# KiCad board imx8x_carrier_v2.kicad_pcb
title: Mariner 1-A; date: 2025-06-26; rev: A; company: Bronco Space Lab; note: Designed by Luca Lanzillotta, John Pollack, Kelly Williams
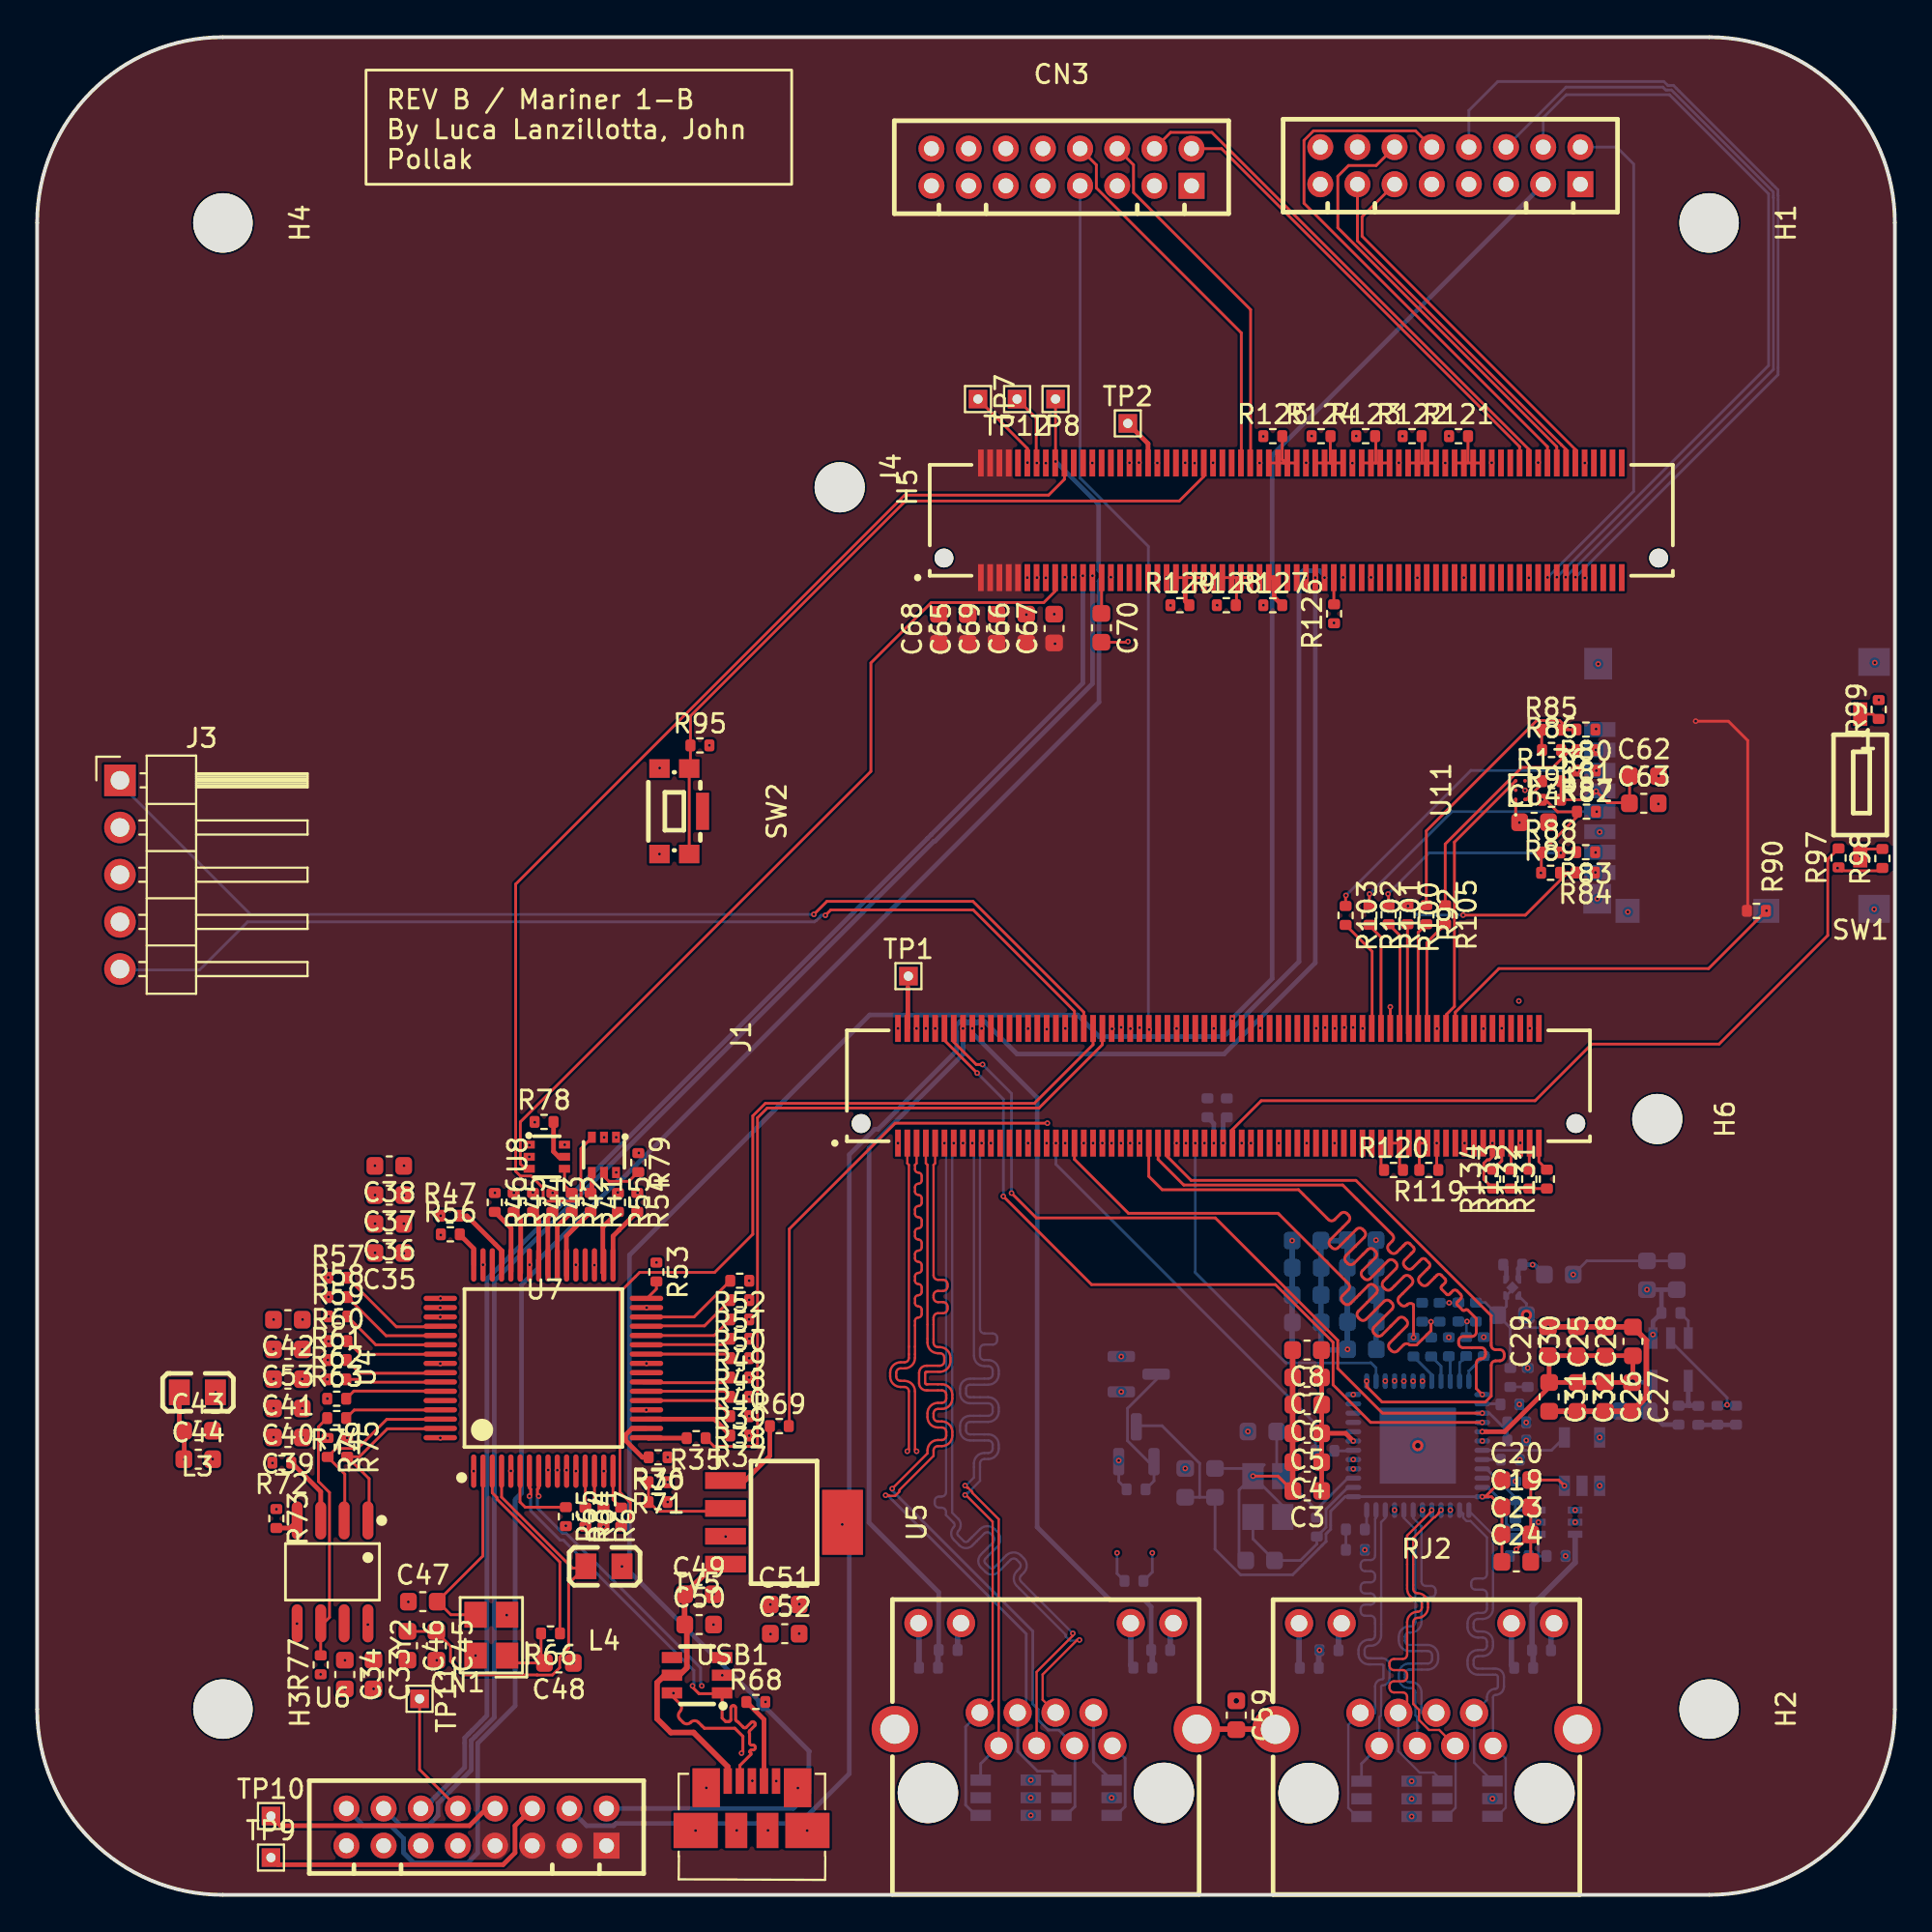
[diagram p0: board, top side]
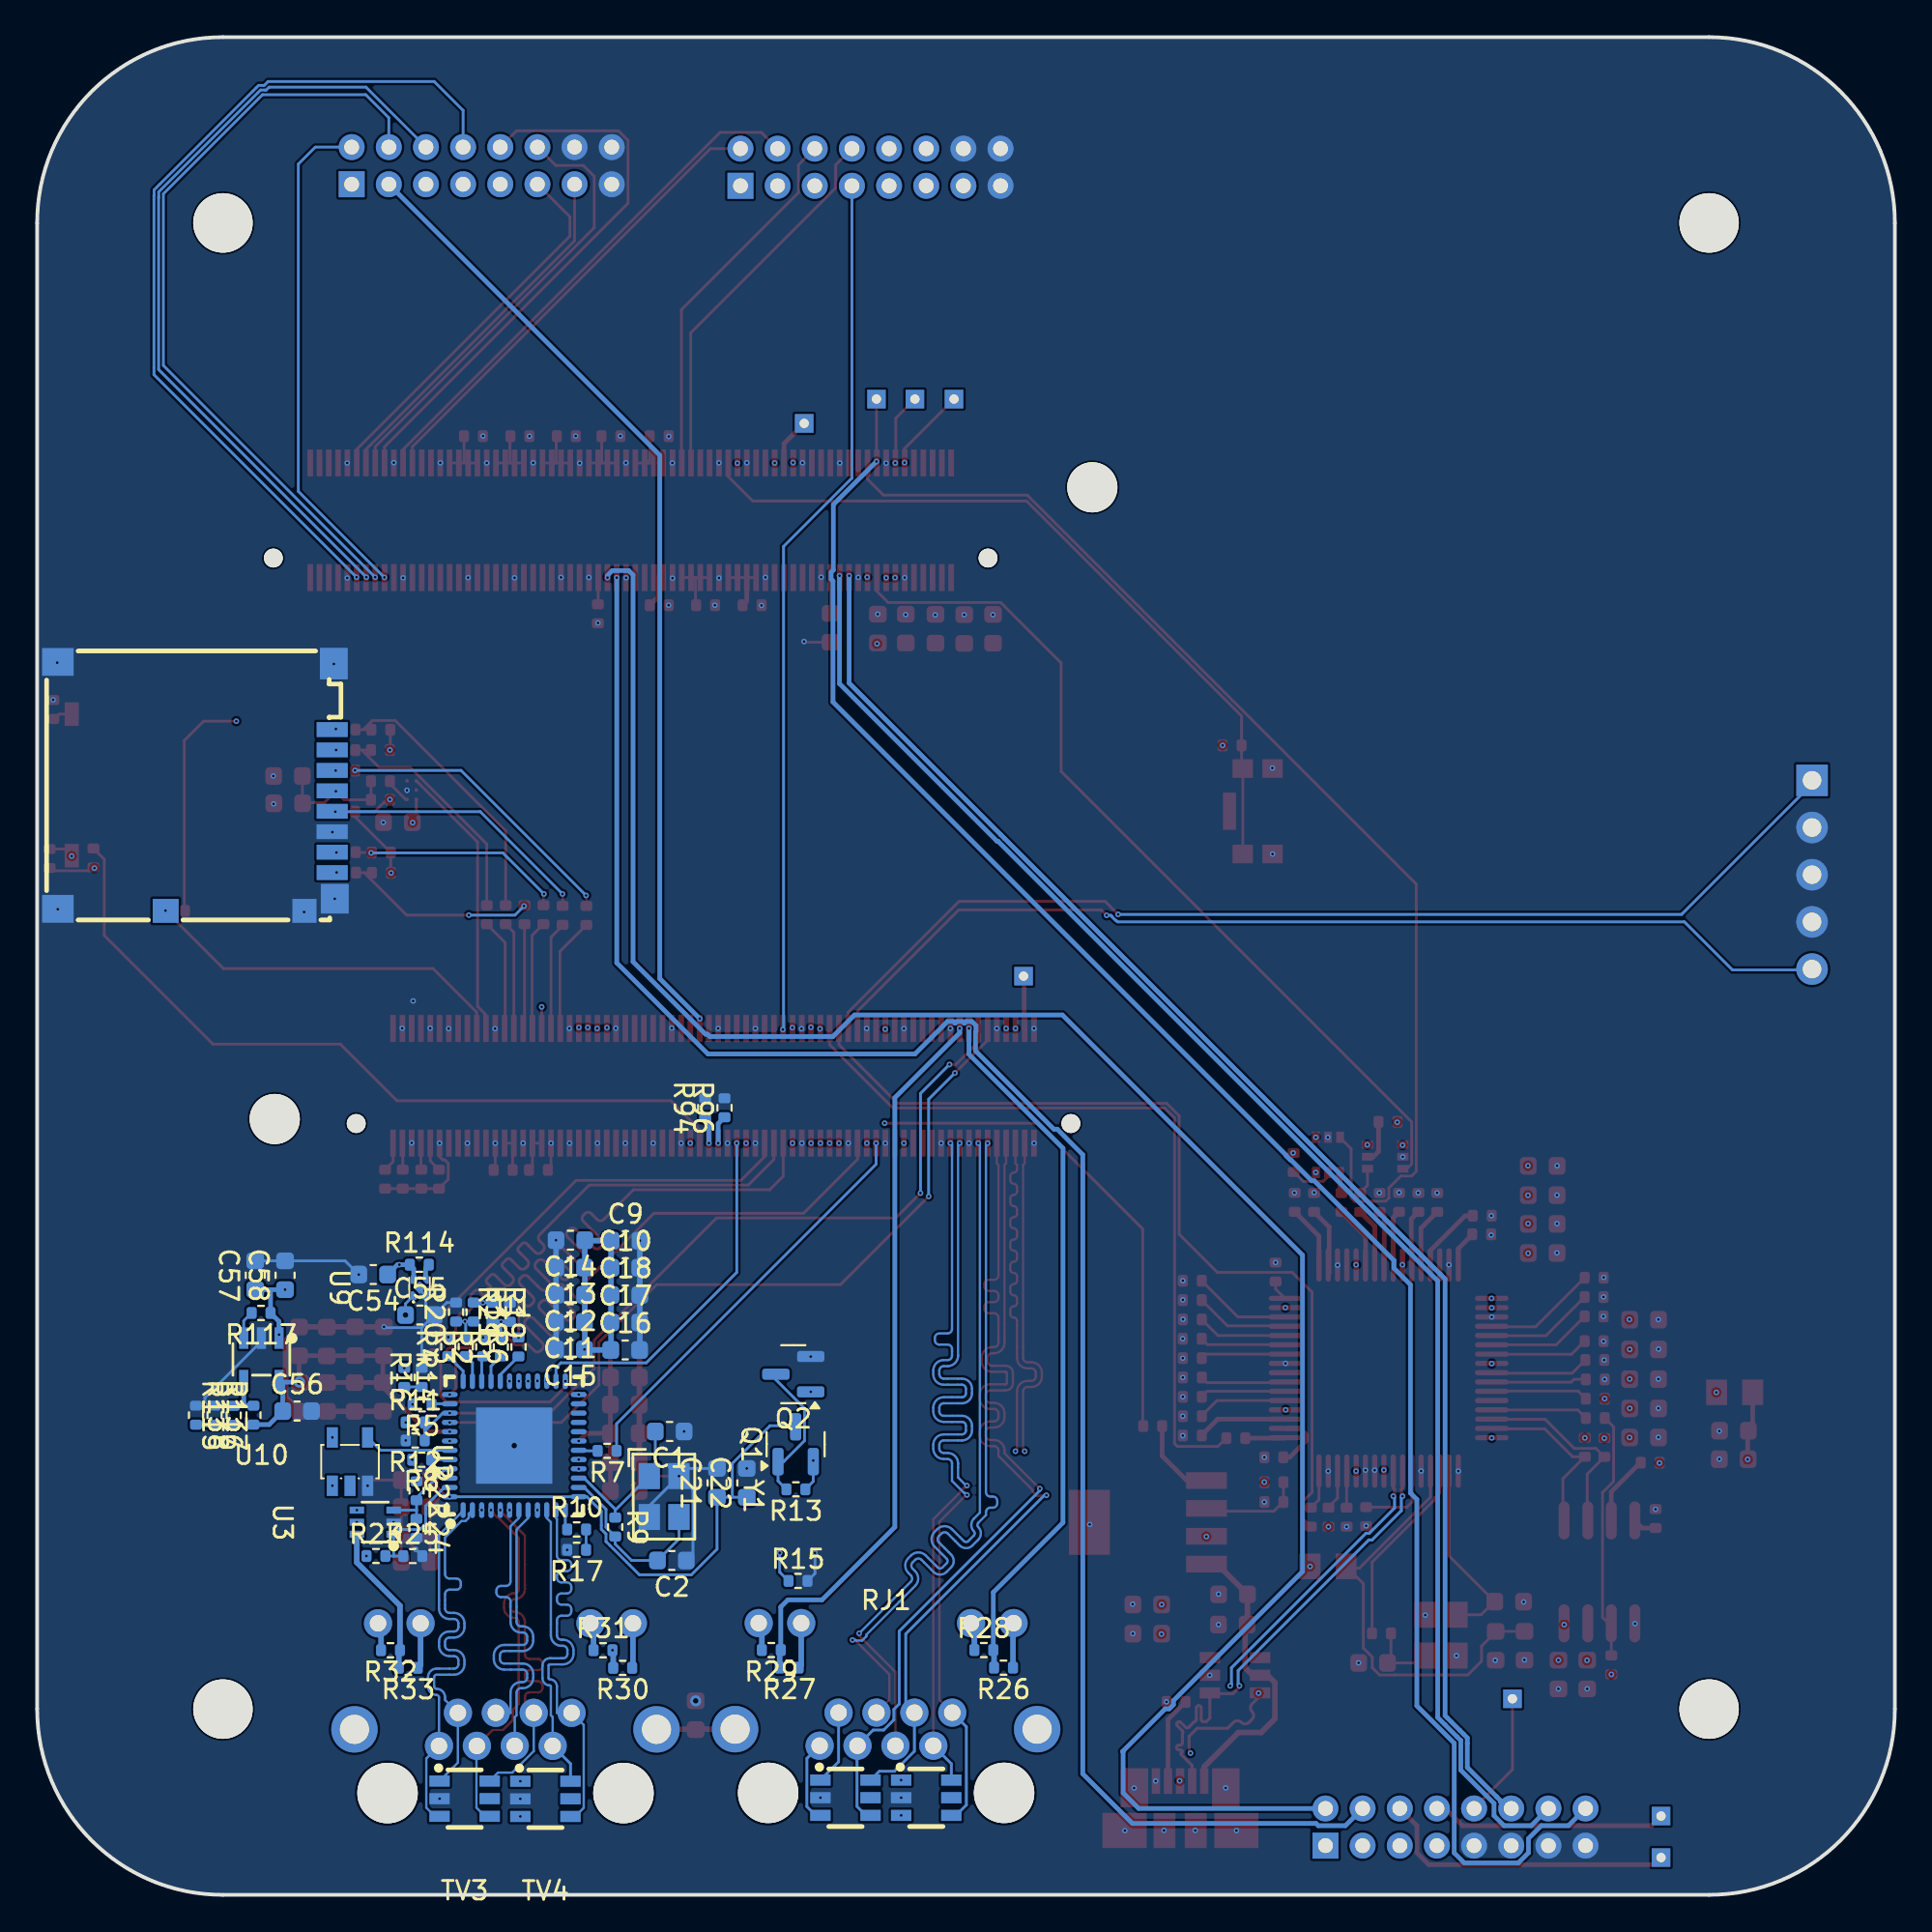
[diagram p1: board, bottom side, seen from below]

Outline 100 x 100 mm; copper layers: SIG1, GND1 (plane), PWR (plane), SIG2, GND2 (plane), SIG3. Coordinates in mm from the lower left corner of the outline.
Outline path: 0,90 0,10 arc(2.93,2.93) 10,0 90,0 arc(97.07,2.93) 100,10 100,90 arc(97.07,97.07) 90,100 10,100 arc(2.93,97.07) 0,90
Stack: SIG1 0.035mm / dielectric 0.0994mm FR4 er 4.1 / GND1 0.0152mm / dielectric 0.55mm FR4 er 4.5 / PWR 0.0152mm / dielectric 0.1088mm FR4 er 4.16 / SIG2 0.0152mm / dielectric 0.55mm FR4 er 4.5 / GND2 0.0152mm / dielectric 0.0994mm FR4 er 4.1 / SIG3 0.035mm

## Placement (name value [footprint] x y rotation side)
C1  18pF  [C_0603_1608Metric]  65.95 24.94 0 bottom
C2  18pF  [C_0603_1608Metric]  65.83 18 0 bottom
C3  1uF  [C_0603_1608Metric]  68.37 21.74 180 top
C4  100nF  [C_0603_1608Metric]  68.37 23.29 180 top
C5  1uF  [C_0603_1608Metric]  68.37 24.84 180 top
C6  100nF  [C_0603_1608Metric]  68.37 26.39 180 top
C7  10nF  [C_0603_1608Metric]  68.36 27.85 180 top
C8  10uF  [C_0603_1608Metric]  68.36 29.32 180 top
C9  10uF  [C_0603_1608Metric]  68.33 35.22 180 bottom
C10  10nF  [C_0603_1608Metric]  68.34 33.76 180 bottom
C11  100nF  [C_0603_1608Metric]  71.31 30.84 0 bottom
C12  1uF  [C_0603_1608Metric]  71.3 32.3 0 bottom
C13  100nF  [C_0603_1608Metric]  71.3 33.77 0 bottom
C14  1uF  [C_0603_1608Metric]  71.29 35.24 0 bottom
C15  1uF  [C_0603_1608Metric]  71.31 29.36 0 bottom
C16  100nF  [C_0603_1608Metric]  68.34 29.33 180 bottom
C17  1uF  [C_0603_1608Metric]  68.34 30.81 180 bottom
C18  100nF  [C_0603_1608Metric]  68.33 32.29 180 bottom
C19  1uF  [C_0603_1608Metric]  79.62 20.87 0 top
C20  100nF  [C_0603_1608Metric]  79.62 22.33 0 top
C21  10nF  [C_0603_1608Metric]  63.4 22.18 90 bottom
C22  10uF  [C_0603_1608Metric]  61.8 22.18 90 bottom
C23  100nF  [C_0603_1608Metric]  79.62 19.4 0 top
C24  1uF  [C_0603_1608Metric]  79.62 17.92 0 top
C25  1uF  [C_0603_1608Metric]  84.41 29.78 90 top
C26  100nF  [C_0603_1608Metric]  84.39 26.8 270 top
C27  1uF  [C_0603_1608Metric]  85.85 26.8 270 top
C28  100nF  [C_0603_1608Metric]  85.9 29.79 90 top
C29  10nF  [C_0603_1608Metric]  81.33 29.8 90 top
C30  10uF  [C_0603_1608Metric]  82.88 29.8 90 top
C31  100nF  [C_0603_1608Metric]  81.39 26.81 270 top
C32  1uF  [C_0603_1608Metric]  82.91 26.8 270 top
C33  4.7uF  [C_0603_1608Metric]  18.11 11.86 270 top
C34  100nF  [C_0603_1608Metric]  16.56 11.86 270 top
C35  100nF  [C_0603_1608Metric]  18.96 34.55 180 top
C36  100nF  [C_0603_1608Metric]  18.96 36.12 180 top
C37  100nF  [C_0603_1608Metric]  18.96 37.67 180 top
C38  4.7uF  [C_0603_1608Metric]  18.96 39.24 180 top
C39  100nF  [C_0603_1608Metric]  13.5 24.62 180 top
C40  100nF  [C_0603_1608Metric]  13.5 26.18 180 top
C41  100nF  [C_0603_1608Metric]  13.5 27.76 180 top
C42  100nF  [C_0603_1608Metric]  13.5 30.96 180 top
C43  100nF  [C_0603_1608Metric]  8.66 24.98 0 top
C44  4.7uF  [C_0603_1608Metric]  8.67 23.45 0 top
C45  4.7uF  [C_0603_1608Metric]  21.49 13.41 270 top
C46  100nF  [C_0603_1608Metric]  19.93 13.41 270 top
C47  12pF  [C_0603_1608Metric]  20.76 15.78 0 top
C48  12pF  [C_0603_1608Metric]  28.09 12.48 180 top
C49  100nF  [C_0603_1608Metric]  35.62 16.18 0 top
C50  2.2uF  [C_0603_1608Metric]  35.64 14.55 0 top
C51  1uF  [C_0603_1608Metric]  40.24 15.63 0 top
C52  100nF  [C_0603_1608Metric]  40.24 14.06 0 top
C53  100nF  [C_0603_1608Metric]  13.5 29.36 180 top
C54  100nF  [C_0603_1608Metric]  81.91 33.39 0 bottom
C55  100nF  [C_0603_1608Metric]  79.39 31.21 180 bottom
C56  4.7uF  [C_0603_1608Metric]  86.01 26.04 180 bottom
C57  100nF  [C_0603_1608Metric]  88.26 33.35 90 bottom
C58  4.7uF  [C_0603_1608Metric]  86.66 33.35 90 bottom
C59  10nF  [C_0603_1608Metric]  64.55 9.67 270 top
C62  10uF  [C_0603_1608Metric]  86.49 60.23 0 top
C63  100nF  [C_0603_1608Metric]  86.48 58.76 0 top
C64  100nF  [C_0603_1608Metric]  80.58 57.74 0 top
C65  22uF  [C_0603_1608Metric]  50.09 68.14 90 top
C66  22uF  [C_0603_1608Metric]  53.24 68.17 90 top
C67  4.7uF  [C_0603_1608Metric]  54.74 68.17 90 top
C68  4.7uF  [C_0603_1608Metric]  48.54 68.15 90 top
C69  100nF  [C_0603_1608Metric]  51.64 68.15 90 top
C70  220nF  [C_0603_1608Metric]  57.29 68.2 270 top
Card1  5027740891  [TF-SMD_5027740891]  91.43 59.67 90 bottom
CN1  DF11-16DP-2DSA(08)  [CONN-TH_DF11-16DP-2DSA-08]  23.65 3.65 0 top
CN2  DF11-16DP-2DSA(08)  [CONN-TH_DF11-16DP-2DSA-08]  76.07 93.08 0 top
CN3  DF11-16DP-2DSA(08)  [CONN-TH_DF11-16DP-2DSA-08]  55.14 93 0 top
G***  -  [LOGO]  24.95 69.07 0 top
H1  MountingHole  [MountingHole_3.2mm_M3]  90 90 270 top
H2  MountingHole  [MountingHole_3.2mm_M3]  90 10 270 top
H3  MountingHole  [MountingHole_3.2mm_M3]  10 10 270 top
H4  MountingHole  [MountingHole_3.2mm_M3]  10 90 270 top
H5  MountingHole  [MountingHole_2.7mm_M2.5]  43.2 75.77 270 top
H6  MountingHole  [MountingHole_2.7mm_M2.5]  87.21 41.76 270 top
J1  BTH-070-02-L-D-A  [SAMTEC_BTH-070-02-L-D-A]  46.34 46.47 0 top
J3  Conn_01x05_Pin  [PinHeader_1x05_P2.54mm_Horizontal]  4.46 59.99 0 top
J4  BTH-070-02-L-D-A  [SAMTEC_BTH-070-02-L-D-A]  50.8 76.91 0 top
L3  600R/100MHz  [L0805]  8.62 27.05 180 top
L4  600R/100MHz  [L0805]  30.51 17.68 180 top
Q1  IRLML6401  [SOT-23]  59.17 24.26 90 bottom
Q2  BSS138  [SOT-23]  59.3 28.03 0 bottom
R1  22  [R_0402_1005Metric]  75.04 29.49 90 bottom
R2  22  [R_0402_1005Metric]  75.99 29.5 90 bottom
R3  22  [R_0402_1005Metric]  76.93 29.51 90 bottom
R4  22  [R_0402_1005Metric]  77.87 29.51 90 bottom
R5  22  [R_0402_1005Metric]  79.28 26.4 0 bottom
R6  0  [R_0402_1005Metric]  74.09 29.49 90 bottom
R7  49.9  [R_0402_1005Metric]  69.32 23.9 0 bottom
R8  2K  [R_0402_1005Metric]  79.3 23.42 0 bottom
R9  1M  [R_0402_1005Metric]  68.88 19.8 270 bottom
R10  1K  [R_0402_1005Metric]  70.96 19.67 180 bottom
R11  5.76K  [R_0402_1005Metric]  79.65 25.43 180 bottom
R12  2.49K  [R_0402_1005Metric]  79.65 24.46 0 bottom
R13  10K  [R_0402_1005Metric]  59.16 21.83 0 bottom
R14  5.76K  [R_0402_1005Metric]  80.24 27.85 270 bottom
R15  10K  [R_0402_1005Metric]  59.04 16.9 180 bottom
R16  2.49K  [R_0402_1005Metric]  79.3 27.85 90 bottom
R17  10K  [R_0402_1005Metric]  70.96 18.57 0 bottom
R18  10K  [R_0402_1005Metric]  76.51 31.37 270 bottom
R19  2.49K  [R_0402_1005Metric]  75.49 31.36 270 bottom
R20  2.49K  [R_0402_1005Metric]  77.45 31.37 90 bottom
R21  2.49K  [R_0402_1005Metric]  74.55 31.36 90 bottom
R22  10K  [R_0402_1005Metric]  79.58 21.75 270 bottom
R23  5.76K  [R_0402_1005Metric]  81.76 18.24 180 bottom
R24  2.49K  [R_0402_1005Metric]  79.58 19.73 270 bottom
R25  2.49K  [R_0402_1005Metric]  79.78 18.24 180 bottom
R26  10K  [R_0402_1005Metric]  47.98 12.23 0 bottom
R27  2.49K  [R_0402_1005Metric]  59.52 12.23 0 bottom
R28  200  [R_0402_1005Metric]  49.04 13.18 180 bottom
R29  22  [R_0402_1005Metric]  60.48 13.18 0 bottom
R30  10K  [R_0402_1005Metric]  68.48 12.22 0 bottom
R31  200  [R_0402_1005Metric]  69.54 13.17 180 bottom
R32  22  [R_0402_1005Metric]  80.98 13.17 0 bottom
R33  2.49K  [R_0402_1005Metric]  80.02 12.22 0 bottom
R34  22  [R_0402_1005Metric]  31.44 20.33 90 top
R35  22  [R_0402_1005Metric]  35.48 24.58 180 top
R36  10K  [R_0402_1005Metric]  33.43 23.55 180 top
R37  10K  [R_0402_1005Metric]  37.82 24.73 180 top
R38  10K  [R_0402_1005Metric]  37.81 25.77 180 top
R39  10K  [R_0402_1005Metric]  37.82 26.81 180 top
R40  10K  [R_0402_1005Metric]  37.81 27.85 180 top
R41  22  [R_0402_1005Metric]  29.79 37.27 270 top
R42  22  [R_0402_1005Metric]  28.77 37.27 270 top
R43  10K  [R_0402_1005Metric]  27.73 37.27 270 top
R44  10K  [R_0402_1005Metric]  26.69 37.28 270 top
R45  10K  [R_0402_1005Metric]  25.65 37.27 270 top
R46  10K  [R_0402_1005Metric]  24.63 37.27 270 top
R47  10K  [R_0402_1005Metric]  22.21 36.56 0 top
R48  10K  [R_0402_1005Metric]  37.82 28.89 180 top
R49  10K  [R_0402_1005Metric]  37.82 29.93 180 top
R50  10K  [R_0402_1005Metric]  37.82 30.97 180 top
R51  10K  [R_0402_1005Metric]  37.82 32.02 180 top
R52  10K  [R_0402_1005Metric]  37.82 33.06 180 top
R53  10K  [R_0402_1005Metric]  33.33 33.53 270 top
R54  10K  [R_0402_1005Metric]  32.3 37.28 270 top
R55  10K  [R_0402_1005Metric]  31.26 37.27 270 top
R56  10K  [R_0402_1005Metric]  22.24 35.56 0 top
R57  10K  [R_0402_1005Metric]  16.19 33.22 0 top
R58  10K  [R_0402_1005Metric]  16.19 32.18 0 top
R59  10K  [R_0402_1005Metric]  16.19 31.14 0 top
R60  10K  [R_0402_1005Metric]  16.19 29.81 0 top
R61  10K  [R_0402_1005Metric]  16.15 28.79 0 top
R62  10K  [R_0402_1005Metric]  16.13 27.75 0 top
R63  1K  [R_0402_1005Metric]  16.12 26.71 0 top
R64  10K  [R_0402_1005Metric]  29.51 20.33 270 top
R65  12K  [R_0402_1005Metric]  28.46 20.36 270 top
R66  200  [R_0402_1005Metric]  27.63 14.07 180 top
R67  1K  [R_0402_1005Metric]  30.49 20.33 270 top
R68  0  [R_0402_1005Metric]  38.69 10.38 0 top
R69  10K  [R_0402_1005Metric]  39.95 25.23 0 top
R70  10K  [R_0402_1005Metric]  33.42 21.14 0 top
R71  16.5K  [R_0402_1005Metric]  33.42 22.21 180 top
R72  10K  [R_0402_1005Metric]  13.17 23.26 180 top
R73  0  [R_0402_1005Metric]  12.88 20.26 270 top
R74  2K  [R_0402_1005Metric]  16.12 25.67 180 top
R75  10K  [R_0402_1005Metric]  16.69 24.09 270 top
R76  10K  [R_0402_1005Metric]  15.64 24.08 270 top
R77  10K  [R_0402_1005Metric]  15.26 12.38 90 top
R78  10K  [R_0402_1005Metric]  27.29 41.61 0 top
R79  10K  [R_0402_1005Metric]  32.36 39.42 270 top
R80  22  [R_0402_1005Metric]  83.37 62.73 180 top
R81  22  [R_0402_1005Metric]  83.38 61.62 180 top
R82  22  [R_0402_1005Metric]  83.39 60.52 180 top
R83  22  [R_0402_1005Metric]  83.36 56.13 180 top
R84  22  [R_0402_1005Metric]  83.34 55.03 180 top
R85  49.9K  [R_0402_1005Metric]  81.5 62.72 0 top
R86  49.9K  [R_0402_1005Metric]  81.52 61.63 0 top
R87  49.9K  [R_0402_1005Metric]  83.4 58.31 0 top
R88  49.9K  [R_0402_1005Metric]  81.48 56.11 0 top
R89  49.9K  [R_0402_1005Metric]  81.47 55.02 0 top
R90  49.9K  [R_0402_1005Metric]  92.55 52.97 0 top
R91  0  [R_0402_1005Metric]  81.52 58.95 0 top
R92  22  [R_0402_1005Metric]  74.78 52.76 270 top
R94  1k  [R_0402_1005Metric]  64.04 42.37 90 bottom
R95  2K  [R_0402_1005Metric]  35.68 61.87 0 top
R96  1k  [R_0402_1005Metric]  63 42.37 90 bottom
R97  1k  [R_0402_1005Metric]  96.97 55.82 90 top
R98  1k  [R_0402_1005Metric]  99.33 55.79 90 top
R99  1k  [R_0402_1005Metric]  99.13 63.81 90 top
R100  22  [R_0402_1005Metric]  73.76 52.76 270 top
R101  22  [R_0402_1005Metric]  72.75 52.76 270 top
R102  22  [R_0402_1005Metric]  71.71 52.73 270 top
R103  22  [R_0402_1005Metric]  70.43 52.72 270 top
R105  22  [R_0402_1005Metric]  75.8 52.76 270 top
R114  10k  [R_0402_1005Metric]  79.43 33.92 180 bottom
R115  2k  [R_0402_1005Metric]  89.42 25.81 90 bottom
R116  13k  [R_0402_1005Metric]  88.36 25.82 90 bottom
R117  10k  [R_0402_1005Metric]  87.95 31.32 0 bottom
R119  10k  [R_0402_1005Metric]  74.91 39.02 180 top
R120  10k  [R_0402_1005Metric]  73.01 39.02 0 top
R121  10k  [R_0402_1005Metric]  76.51 78.52 0 top
R122  10k  [R_0402_1005Metric]  74.01 78.52 0 top
R123  10k  [R_0402_1005Metric]  71.51 78.52 0 top
R124  10k  [R_0402_1005Metric]  69.11 78.52 0 top
R125  10k  [R_0402_1005Metric]  66.51 78.52 0 top
R126  10k  [R_0402_1005Metric]  69.81 68.96 90 top
R127  10k  [R_0402_1005Metric]  66.51 69.42 0 top
R128  10k  [R_0402_1005Metric]  64.01 69.42 0 top
R129  10k  [R_0402_1005Metric]  61.51 69.42 0 top
R131  10k  [R_0402_1005Metric]  81.27 38.53 90 top
R132  10k  [R_0402_1005Metric]  80.32 38.53 90 top
R133  10k  [R_0402_1005Metric]  79.32 38.53 90 top
R134  10k  [R_0402_1005Metric]  78.37 38.53 90 top
R136  0  [R_0402_1005Metric]  81.52 59.95 0 top
R137  1k  [R_0402_1005Metric]  90.45 25.82 270 bottom
R138  1k  [R_0402_1005Metric]  91.45 25.82 270 bottom
RJ1  RJHSE5384  [RJ45-TH_RJHSE5384]  54.3 11.33 0 top
RJ2  RJHSE5384  [RJ45-TH_RJHSE5384]  74.79 11.32 0 top
SW1  SW_DIP_x01  [SW-SMD_1.27-1P-TPPT]  98.14 59.75 180 top
SW2  KMR221GLFS  [KEY-SMD_KMR2XXGXXX]  34.66 58.33 270 top
TP1  TestPoint  [TestPoint_THTPad_1.0x1.0mm_Drill0.5mm]  46.9 49.45 0 top
TP2  TestPoint  [TestPoint_THTPad_1.0x1.0mm_Drill0.5mm]  58.71 79.21 0 top
TP7  TestPoint  [TestPoint_THTPad_1.0x1.0mm_Drill0.5mm]  50.64 80.52 270 top
TP8  TestPoint  [TestPoint_THTPad_1.0x1.0mm_Drill0.5mm]  54.82 80.52 180 top
TP9  TestPoint  [TestPoint_THTPad_1.0x1.0mm_Drill0.5mm]  12.59 2.01 0 top
TP10  TestPoint  [TestPoint_THTPad_1.0x1.0mm_Drill0.5mm]  12.59 4.24 0 top
TP11  TestPoint  [TestPoint_THTPad_1.0x1.0mm_Drill0.5mm]  20.59 10.55 270 top
TP12  TestPoint  [TestPoint_THTPad_1.0x1.0mm_Drill0.5mm]  52.75 80.52 180 top
TV1  SRV05-4.TCT  [SOT-23-6_L2.9-W1.6-P0.95-LS2.8-BR]  56.49 5.23 0 bottom
TV2  SRV05-4.TCT  [SOT-23-6_L2.9-W1.6-P0.95-LS2.8-BR]  52.14 5.23 0 bottom
TV3  SRV05-4.TCT  [SOT-23-6_L2.9-W1.6-P0.95-LS2.8-BR]  76.99 5.18 0 bottom
TV4  SRV05-4.TCT  [SOT-23-6_L2.9-W1.6-P0.95-LS2.8-BR]  72.64 5.17 0 bottom
TV5  SRV05-4.TCT  [SOT-23-6_L2.9-W1.6-P0.95-LS2.8-BR]  35.52 11.82 0 top
U1  DP83867IRRGZR  [VQFN-48_L7.0-W7.0-P0.50-BL-EP4.1]  74.32 24.18 180 bottom
U2  74AUP1G08  [SOT-23-5_L3.0-W1.7-P0.95-LS2.8-BR]  83.16 23.32 270 bottom
U3  74LVC2G07  [SOT-363_L2.1-W1.3-P0.65-LS2.2-BL]  81.8 20.06 90 bottom
U4  FT2232HL  [LQFP-64_L10.0-W10.0-P0.50-LS12.0-TL]  27.25 28.36 90 top
U5  LP38693MP-ADJ/NOPB  [SOT-223-5_L6.5-W3.5-P1.50-LS7.0-BL]  40.2 20.05 270 top
U6  CAT93C66VI-GT3  [SOIC-8_L4.9-W3.9-P1.27-LS6.0-BL]  15.9 17.39 180 top
U7  TXS0101DCKR  [SC-70-6_L2.0-W1.3-P0.65-LS2.1-BR]  27.44 39.73 180 top
U8  TXS0101DCKR  [SC-70-6_L2.0-W1.3-P0.65-LS2.1-BR]  30.51 39.83 90 top
U9  TLV71310PDQNR  [X2SON-4_L1.0-W1.0-P0.65-TL-EP]  79.41 32.69 90 bottom
U10  MCP1824T-ADJE/OT  [SOT-23-5_L3.0-W1.7-P0.95-LS2.8-BL]  87.93 28.82 0 bottom
U11  BD2204GUL-E2  [BGA-6_L1.5-W1.0-P0.50_BD2204GUL-E2]  79.84 59.47 90 top
USB1  47346-0001  [MICRO-USB-SMD_47346-0001]  38.45 4.8 0 top
Y1  25MHz  [CRYSTAL-SMD_4P-L3.2-W2.5-BL-2]  66.25 21.44 270 bottom
Y2  12MHz  [CRYSTAL-SMD_4P-L3.2-W2.5-BL]  24.45 13.98 90 top

## Library data of the parts
C1 C2 C7 C10 C21 C29 C47 C48 = -: Description: Unpolarized capacitor, small symbol; Voltage: 50V; ki_fp_filters: C_*
C3 C5 C12 C14 C15 C17 C19 C24 C25 C27 C32 C33 C38 C44 C45 C51 C56 C58 C67 C68 = -: Description: Unpolarized capacitor, small symbol; Voltage: 10V; ki_fp_filters: C_*
C4 C6 C8 C9 C11 C13 C16 C18 C20 C22 C23 C26 C28 C30 C31 C34-C37 C39-C43 C46 C49 C52-C55 C57 C62-C64 C69 = -: Description: Unpolarized capacitor, small symbol; Voltage: 16V; ki_fp_filters: C_*
C50 C65 C66 = -: Description: Unpolarized capacitor, small symbol; Voltage: 25V; ki_fp_filters: C_*
C59 = -: Description: Unpolarized capacitor, small symbol; Voltage: 2kV; ki_fp_filters: C_*
C70 = -: Description: Unpolarized capacitor, small symbol; ki_fp_filters: C_*
Card1 = -: Datasheet: https://lcsc.com/product-detail/SD-Card-Memory-Card-Connector_MOLEX-5027740891_C330255.html?s_z=n_TF-SMD_5027740891; LCSC Part: C330255
CN1-CN3 = -: Datasheet: https://lcsc.com/product-detail/Wire-To-Board-Wire-To-Wire-Connector_HRS-Hirose-HRS-DF11-16DP-2DSA-08_C530981.html; Description: DF11 Connector; LCSC Part: C530981
H1-H6 = -: Description: Mounting Hole without connection; ki_fp_filters: MountingHole*
J1 J4 = -: Datasheet: https://www.samtec.com/products/bth-070-02-l-d-a-k-tr#cadmodels; Description: IMX8 SOM Connector; PARTREV: R; STANDARD: Manufacturer Recommendations; MANUFACTURER: Samtec
J3 = -: Description: Generic connector, single row, 01x05, script generated; ki_fp_filters: Connector*:*_1x??_*
L3 L4 = -: Description: Inductor; ki_fp_filters: Choke_* *Coil* Inductor_* L_*
Q1 = -: Datasheet: https://www.infineon.com/dgdl/irlml6401pbf.pdf?fileId=5546d462533600a401535668b96d2634; Description: -4.3A Id, -12V Vds, 50mOhm Rds, P-Channel HEXFET Power MOSFET, SOT-23; ki_fp_filters: SOT?23*
Q2 = -: Datasheet: https://www.onsemi.com/pub/Collateral/BSS138-D.PDF; Description: 50V Vds, 0.22A Id, N-Channel MOSFET, SOT-23; ki_fp_filters: SOT?23*
R1-R92 R94-R103 R105 R114-R117 R119-R129 R131-R134 R136-R138 = -: Description: Resistor, US symbol; ki_fp_filters: R_*
RJ1 RJ2 = -: Datasheet: https://jlcpcb.com/partdetail/AmphenolIcc-RJHSE5384/C464587; LCSC Part: C464587
SW1 = -: Description: 1x DIP Switch, Single Pole Single Throw (SPST) switch, small symbol; LCSC Part: C7471372; ki_fp_filters: SW?DIP?x1*
SW2 = -: Datasheet: https://lcsc.com/product-detail/Others_C-K-KMR221GLFS_C72443.html; LCSC Part: C72443
TP1 TP2 TP7-TP12 = -: Description: test point; ki_fp_filters: Pin* Test*
TV1-TV4 = -: Datasheet: https://lcsc.com/product-detail/TVS_SEMTECH_SRV05-4-TCT_SRV05-4-TCT_C13612.html; Description: Surge Protecton Diode Network; LCSC Part: C13612
TV5 = -: Datasheet: https://lcsc.com/product-detail/TVS_SEMTECH_SRV05-4-TCT_SRV05-4-TCT_C13612.html; LCSC Part: C13612
U1 = -: Datasheet: https://www.ti.com/cn/lit/ds/symlink/dp83867ir.pdf?ts=1748027510532&ref_url=https%253A%252F%252Fjlcpcb.com%252F; LCSC Part: C544766
U2 = -: Datasheet: https://lcsc.com/product-detail/74-Series_TI_SN74AUP1G08DBVR_SN74AUP1G08DBVR_C139409.html; Description: Low Power 2 Input AND gate; LCSC Part: C139409
U3 = -: Datasheet: https://jlcpcb.com/api/file/downloadByFileSystemAccessId/8603378044489261056; LCSC Part: C19829574
U4 = -: Datasheet: https://lcsc.com/product-detail/USB_FTDI_FT2232HL_FT2232HL_C27882.html; LCSC Part: C27882
U5 = -: Datasheet: https://lcsc.com/product-detail/Linear-Voltage-Regulators_TI_LP38693MP-ADJ-NOPB_LP38693MP-ADJ-NOPB_C181420.html; LCSC Part: C181420
U6 = -: Datasheet: https://jlcpcb.com/parts/componentSearch?searchTxt=C890471; LCSC Part: C890471
U7 U8 = -: Datasheet: https://lcsc.com/product-detail/Logic-ICs_TI_TXS0101DCKR_TXS0101DCKR_C132031.html; Description: 1-Bit Bidirectional Level-Shifting, Voltage-Level Translator With Auto-Direction-Sensing for Open-Drain and Push-Pull Applications; LCSC Part: C132031
U9 = -: LCSC Part: C2872754
U10 = -: Datasheet: https://lcsc.com/product-detail/Low-Dropout-Regulators-LDO_MICROCHIP_MCP1824T-ADJE-OT_MCP1824T-ADJE-OT_C145717.html; LCSC Part: C145717
U11 = -: Datasheet: https://lcsc.com/product-detail/Power-Distribution-Switches_ROHM-Semicon-BD2204GUL-E2_C314699.html?s_z=n_BD2204GUL-E2; LCSC Part: C314699
USB1 = -: Datasheet: https://lcsc.com/product-detail/USB-Connectors_MOLEX_47346-0001_47346-0001_C132560.html; LCSC Part: C132560
Y1 = -: Description: Four pin crystal, GND on pins 2 and 4; LCSC: C13740; ki_fp_filters: Crystal*
Y2 = -: Description: Four pin crystal, GND on pins 2 and 4; LCSC Part: C9002; ki_fp_filters: Crystal*
